# Altium PCB Power Supply Board V2I1.PcbDoc (continued)
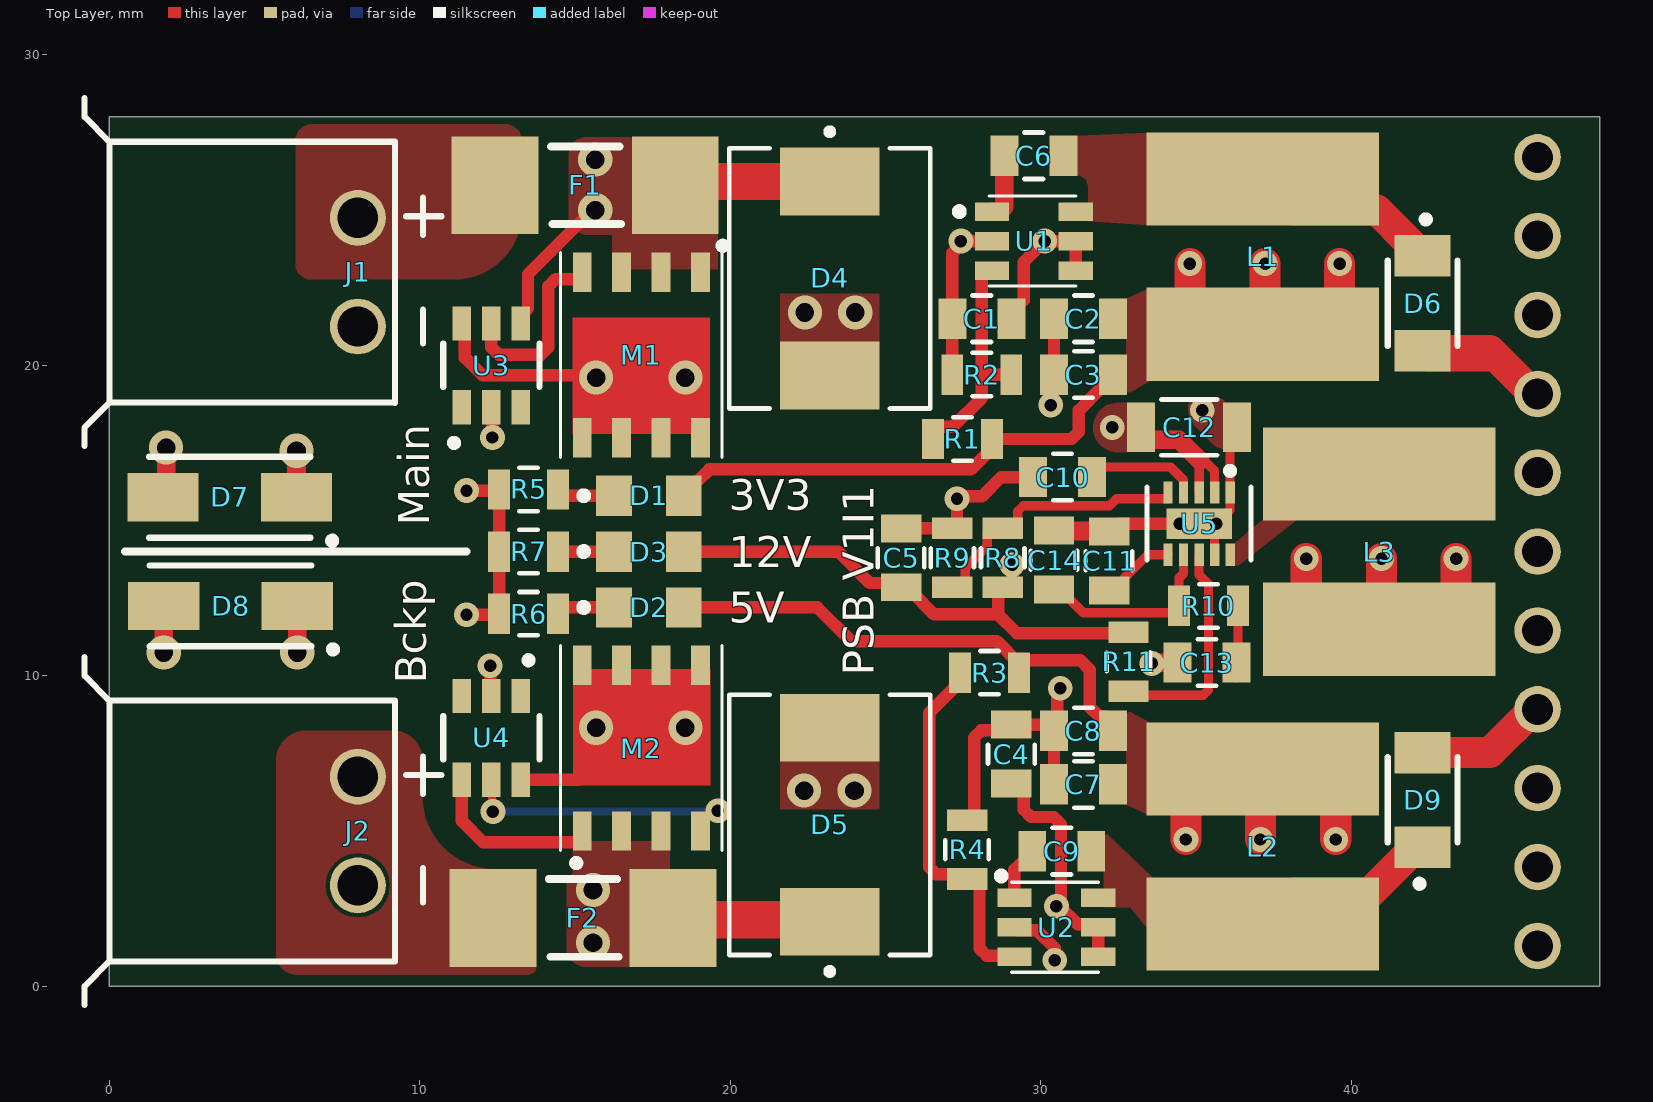
[diagram p0: Top Layer view]
## Part data (continued)
R7: library part ERJ-6ENF7501V, "Res Thick Film 7.5k 125mW, ±1%;", Case Code (Imperial)=0805, Case Code (Metric)=2012, Manufacturer=Panasonic, Max Operating Temperature=155°C, Max Power Dissipation=125mW, Min Operating Temperature=-55°C, Package Quantity=1, Resistance=7.5kR, Supplier Part Number 1=P7.50KCCT-ND, Temperature Coefficient=100ppm/°C, TOLERANCE=1%, Voltage Rating=150V, Case/Package=0805, Category="Chip SMD Resistors", ComponentLink1Description=https://datasheet.ciiva.com/11821/0900766b80f80784-11821713.pdf?src-supplier=RSComponents, ComponentLink1URL=https://datasheet.ciiva.com/11821/0900766b80f80784-11821713.pdf?src-supplier=RSComponents, ComponentLink2Description=https://datasheet.ciiva.com/34303/1989527-34303643.pdf?src-supplier=Jameco, ComponentLink2URL=https://datasheet.ciiva.com/34303/1989527-34303643.pdf?src-supplier=Jameco, ComponentLink3Description=https://datasheet.ciiva.com/16780/70260748-16780490.pdf?src-supplier=Allied+Electronics, ComponentLink3URL=https://datasheet.ciiva.com/16780/70260748-16780490.pdf?src-supplier=Allied+Electronics, ComponentLink4Description=https://datasheet.ciiva.com/17212/aoa0000ce2-17212477.pdf?src-supplier=Avnet+Europe, ComponentLink4URL=https://datasheet.ciiva.com/17212/aoa0000ce2-17212477.pdf?src-supplier=Avnet+Europe, ComponentLink5Description=https://datasheet.ciiva.com/30143/aoa0000ce2-30143461.pdf?src-supplier=Onlinecomponents.com, ComponentLink5URL=https://datasheet.ciiva.com/30143/aoa0000ce2-30143461.pdf?src-supplier=Onlinecomponents.com, ComponentLink6Description=https://datasheet.ciiva.com/16782/70260748-16782856.pdf?src-supplier=Allied+Electronics, ComponentLink6URL=https://datasheet.ciiva.com/16782/70260748-16782856.pdf?src-supplier=Allied+Electronics, ComponentLink7Description=https://datasheet.ciiva.com/9194/aoa0000ce2-9194794.pdf?src-supplier=Avnet, ComponentLink7URL=https://datasheet.ciiva.com/9194/aoa0000ce2-9194794.pdf?src-supplier=Avnet, ComponentLink8Description=https://datasheet.ciiva.com/46373/426256-46373996.pdf?src-supplier=Element14, ComponentLink8URL=https://datasheet.ciiva.com/46373/426256-46373996.pdf?src-supplier=Element14, ComponentLink9Description=https://datasheet.ciiva.com/28675/1678782-28675837.pdf?src-supplier=Element14, ComponentLink9URL=https://datasheet.ciiva.com/28675/1678782-28675837.pdf?src-supplier=Element14, ComponentLink10Description=https://datasheet.ciiva.com/5868/426256-5868191.pdf?src-supplier=Farnell, ComponentLink10URL=https://datasheet.ciiva.com/5868/426256-5868191.pdf?src-supplier=Farnell, Composition="Thick Film", Contact Plating=Tin, Depth=1.25mm, Features="Automotive AEC-Q200", Height=0.6mm, Lead Free="Lead Free", Length=2mm, Manufacturer Part Number=ERJ-6ENF7501V, Military Standard=Not, Mount="Surface Mount", Number of Terminations=2, Packaging="Tape and Reel", Power Rating=125mW, Pricing 1="1=0,10000, 10=0,07200, 100=0,02750, 1000=0,01210, 2500=0,01045 (USD)", Radiation Hardening=No, REACH SVHC=Unknown, RoHS=Yes, Stock 1=1517, Supplier 1=Digi-Key, Termination=SMD/SMT, Voltage Rating (DC)=150V, Width=0.049inch
R8: library part ERJ-6ENF1743V, "Res Thick Film 174K 1% 1/8W 0805", Case Code (Imperial)=0805, Case Code (Metric)=2012, Manufacturer=Panasonic, Max Operating Temperature=155°C, Max Power Dissipation=125mW, Min Operating Temperature=-55°C, Package Quantity=1, Resistance=174kR, Supplier Part Number 1=P174KCCT-ND, Temperature Coefficient=100ppm/°C, TOLERANCE=1%, Voltage Rating=150V, Case/Package=0805, Category="Chip SMD Resistors", ComponentLink1Description=https://datasheet.ciiva.com/11821/0900766b80f80784-11821552.pdf?src-supplier=RSComponents, ComponentLink1URL=https://datasheet.ciiva.com/11821/0900766b80f80784-11821552.pdf?src-supplier=RSComponents, ComponentLink2Description=https://datasheet.ciiva.com/22729/1678782-22729189.pdf?src-supplier=Farnell, ComponentLink2URL=https://datasheet.ciiva.com/22729/1678782-22729189.pdf?src-supplier=Farnell, ComponentLink3Description=https://datasheet.ciiva.com/9185/aoa0000ce2-9185134.pdf?src-supplier=Avnet, ComponentLink3URL=https://datasheet.ciiva.com/9185/aoa0000ce2-9185134.pdf?src-supplier=Avnet, ComponentLink4Description=https://datasheet.ciiva.com/22739/1678782-22739676.pdf?src-supplier=Element14, ComponentLink4URL=https://datasheet.ciiva.com/22739/1678782-22739676.pdf?src-supplier=Element14, ComponentLink5Description=https://datasheet.ciiva.com/46437/1678782-46437837.pdf?src-supplier=Element14, ComponentLink5URL=https://datasheet.ciiva.com/46437/1678782-46437837.pdf?src-supplier=Element14, Composition="Thick Film", Contact Plating=Tin, Depth=1.25mm, Features="Automotive AEC-Q200", Height=0.6mm, Lead Free="Lead Free", Length=2mm, Manufacturer Part Number=ERJ-6ENF1743V, Military Standard=Not, Mount="Surface Mount", Number of Terminations=2, Packaging="Tape and Reel", Power Rating=125mW, Pricing 1="1=0,10000, 10=0,07200, 100=0,02750, 1000=0,01210, 2500=0,01045 (USD)", REACH SVHC="No SVHC", RoHS=Yes, Stock 1=40641, Supplier 1=Digi-Key, Termination=SMD/SMT, Voltage Rating (DC)=150V, Width=1.2mm
R9: library part ERJ-6ENF1402V, "Res Thick Film 14K 1% 1/8W 0805", Case Code (Imperial)=0805, Case Code (Metric)=2012, Manufacturer=Panasonic, Max Operating Temperature=155°C, Max Power Dissipation=125mW, Min Operating Temperature=-55°C, Package Quantity=1, Resistance=14kR, Supplier Part Number 1=P14.0KCCT-ND, Temperature Coefficient=100ppm/°C, TOLERANCE=1%, Voltage Rating=150V, Case/Package=0805, Category="Chip SMD Resistors", ComponentLink1Description=https://datasheet.ciiva.com/16780/70260748-16780374.pdf?src-supplier=Allied+Electronics, ComponentLink1URL=https://datasheet.ciiva.com/16780/70260748-16780374.pdf?src-supplier=Allied+Electronics, ComponentLink2Description=https://datasheet.ciiva.com/24027/aoa0000ce2-24027368.pdf?src-supplier=Mouser, ComponentLink2URL=https://datasheet.ciiva.com/24027/aoa0000ce2-24027368.pdf?src-supplier=Mouser, ComponentLink3Description=https://datasheet.ciiva.com/46373/1678782-46373848.pdf?src-supplier=Element14, ComponentLink3URL=https://datasheet.ciiva.com/46373/1678782-46373848.pdf?src-supplier=Element14, ComponentLink4Description=https://datasheet.ciiva.com/17211/aoa0000ce2-17211609.pdf?src-supplier=Avnet+Europe, ComponentLink4URL=https://datasheet.ciiva.com/17211/aoa0000ce2-17211609.pdf?src-supplier=Avnet+Europe, ComponentLink5Description=https://datasheet.ciiva.com/16787/70260748-16787401.pdf?src-supplier=Allied+Electronics, ComponentLink5URL=https://datasheet.ciiva.com/16787/70260748-16787401.pdf?src-supplier=Allied+Electronics, ComponentLink6Description=https://datasheet.ciiva.com/46373/1678782-46373849.pdf?src-supplier=Element14, ComponentLink6URL=https://datasheet.ciiva.com/46373/1678782-46373849.pdf?src-supplier=Element14, ComponentLink7Description=https://datasheet.ciiva.com/22682/1678782-22682490.pdf?src-supplier=Element14, ComponentLink7URL=https://datasheet.ciiva.com/22682/1678782-22682490.pdf?src-supplier=Element14, ComponentLink8Description=https://datasheet.ciiva.com/30191/aoa0000ce2-30191374.pdf?src-supplier=Onlinecomponents.com, ComponentLink8URL=https://datasheet.ciiva.com/30191/aoa0000ce2-30191374.pdf?src-supplier=Onlinecomponents.com, Composition="Thick Film", Contact Plating=Tin, Depth=1.25mm, Features="Automotive AEC-Q200", Height=0.6mm, Lead Free="Lead Free", Length=2mm, Manufacturer Part Number=ERJ-6ENF1402V, Military Standard=Not, Mount="Surface Mount", Number of Terminations=2, Packaging="Tape and Reel", Power Rating=125mW, Pricing 1="1=0,10000, 10=0,07200, 100=0,02750, 1000=0,01210, 2500=0,01045 (USD)", Radiation Hardening=No, REACH SVHC="No SVHC", RoHS=Yes, Stock 1=87692, Supplier 1=Digi-Key, Termination=Solder, Voltage Rating (DC)=150V, Width=0.049inch
R10: library part ERJ-6ENF2002V, "Res Thick Film 0805 20K OHM 1% 1/8W 0805", Case Code (Imperial)=0805, Case Code (Metric)=2012, Manufacturer=Panasonic, Max Operating Temperature=155°C, Max Power Dissipation=125mW, Min Operating Temperature=-55°C, Package Quantity=1, Resistance=20kR, Supplier Part Number 1=P20.0KCCT-ND, Temperature Coefficient=100ppm/°C, TOLERANCE=1%, Voltage Rating=150V, Case/Package=0805, Category="Chip SMD Resistors", ComponentLink1Description=https://datasheet.ciiva.com/11821/0900766b80f80784-11821565.pdf?src-supplier=RSComponents, ComponentLink1URL=https://datasheet.ciiva.com/11821/0900766b80f80784-11821565.pdf?src-supplier=RSComponents, ComponentLink2Description=https://datasheet.ciiva.com/48531/aoa0000ce2-48531785.pdf?src-supplier=Avnet, ComponentLink2URL=https://datasheet.ciiva.com/48531/aoa0000ce2-48531785.pdf?src-supplier=Avnet, ComponentLink3Description=https://datasheet.ciiva.com/15159/getdatasheetpartid-249649-15159066.pdf?src-supplier=Verical, ComponentLink3URL=https://datasheet.ciiva.com/15159/getdatasheetpartid-249649-15159066.pdf?src-supplier=Verical, ComponentLink4Description=https://datasheet.ciiva.com/17211/aoa0000ce2-17211115.pdf?src-supplier=Avnet+Europe, ComponentLink4URL=https://datasheet.ciiva.com/17211/aoa0000ce2-17211115.pdf?src-supplier=Avnet+Europe, ComponentLink5Description=https://datasheet.ciiva.com/46389/426256-46389083.pdf?src-supplier=Element14, ComponentLink5URL=https://datasheet.ciiva.com/46389/426256-46389083.pdf?src-supplier=Element14, ComponentLink6Description=https://datasheet.ciiva.com/28688/1678782-28688637.pdf?src-supplier=Element14, ComponentLink6URL=https://datasheet.ciiva.com/28688/1678782-28688637.pdf?src-supplier=Element14, ComponentLink7Description=https://datasheet.ciiva.com/16512/aoa0000ce2-16512158.pdf?src-supplier=Avnet+Asia, ComponentLink7URL=https://datasheet.ciiva.com/16512/aoa0000ce2-16512158.pdf?src-supplier=Avnet+Asia, ComponentLink8Description=https://datasheet.ciiva.com/22749/1678782-22749662.pdf?src-supplier=Element14, ComponentLink8URL=https://datasheet.ciiva.com/22749/1678782-22749662.pdf?src-supplier=Element14, ComponentLink9Description=https://datasheet.ciiva.com/30072/aoa0000ce2-30072453.pdf?src-supplier=Onlinecomponents.com, ComponentLink9URL=https://datasheet.ciiva.com/30072/aoa0000ce2-30072453.pdf?src-supplier=Onlinecomponents.com, ComponentLink10Description=https://datasheet.ciiva.com/43460/426256-43460054.pdf?src-supplier=Farnell, ComponentLink10URL=https://datasheet.ciiva.com/43460/426256-43460054.pdf?src-supplier=Farnell, ComponentLink11Description=https://datasheet.ciiva.com/16786/70260748-16786968.pdf?src-supplier=Allied+Electronics, ComponentLink11URL=https://datasheet.ciiva.com/16786/70260748-16786968.pdf?src-supplier=Allied+Electronics, ComponentLink12Description=https://datasheet.ciiva.com/9192/aoa0000ce2-9192153.pdf?src-supplier=Avnet, ComponentLink12URL=https://datasheet.ciiva.com/9192/aoa0000ce2-9192153.pdf?src-supplier=Avnet, ComponentLink13Description=https://datasheet.ciiva.com/46377/426256-46377356.pdf?src-supplier=Element14, ComponentLink13URL=https://datasheet.ciiva.com/46377/426256-46377356.pdf?src-supplier=Element14, ComponentLink14Description=https://datasheet.ciiva.com/24025/aoa0000ce2-24025709.pdf?src-supplier=Mouser, ComponentLink14URL=https://datasheet.ciiva.com/24025/aoa0000ce2-24025709.pdf?src-supplier=Mouser, Composition="Thick Film", Contact Plating=Tin, Depth=1.25mm, Features="Automotive AEC-Q200", Height=0.6mm, Lead Free="Lead Free", Length=2mm, Manufacturer Part Number=ERJ-6ENF2002V, Military Standard=Not, Mount="Surface Mount", Number of Terminations=2, Packaging="Tape and Reel", Power Rating=125mW, Pricing 1="1=0,10000, 10=0,07200, 100=0,02750, 1000=0,01210, 2500=0,01045 (USD)", Radiation Hardening=No, REACH SVHC="No SVHC", RoHS=Yes, Stock 1=254204, Supplier 1=Digi-Key, Termination=SMD/SMT, Voltage Rating (DC)=150V, Width=0.049inch, Working Voltage=150V
R11: library part ERJ-6ENF1003V, "Res Thick Film 0805 100K Ohm 1% 0.125W(1/8W) ±100ppm/C Molded SMD Automotive Punched T/R", Case Code (Imperial)=0805, Case Code (Metric)=2012, Manufacturer=Panasonic, Max Operating Temperature=155°C, Max Power Dissipation=125mW, Min Operating Temperature=-55°C, Package Quantity=1, Resistance=100kR, Supplier Part Number 1=P100KCDKR-ND, Temperature Coefficient=100ppm/°C, TOLERANCE=1%, Voltage Rating=150V, Case/Package=0805, ComponentLink1Description=http://www.farnell.com/datasheets/426256.pdf, ComponentLink1URL=http://www.farnell.com/datasheets/426256.pdf, ComponentLink2Description=http://www.farnell.com/datasheets/1678782.pdf, ComponentLink2URL=http://www.farnell.com/datasheets/1678782.pdf, ComponentLink3Description=http://www.jameco.com/Jameco/Products/ProdDS/1988989.pdf, ComponentLink3URL=http://www.jameco.com/Jameco/Products/ProdDS/1988989.pdf, ComponentLink4Description=http://industrial.panasonic.com/www-data/pdf/AOA0000/AOA0000CE2.pdf, ComponentLink4URL=http://industrial.panasonic.com/www-data/pdf/AOA0000/AOA0000CE2.pdf, ComponentLink5Description=http://www.mouser.com/ds/2/315/AOA0000C283-1093288.pdf, ComponentLink5URL=http://www.mouser.com/ds/2/315/AOA0000C283-1093288.pdf, ComponentLink6Description=https://www.alliedelec.com/m/d/623f45ff1957d936ff56d46fd1c28cac.pdf, ComponentLink6URL=https://www.alliedelec.com/m/d/623f45ff1957d936ff56d46fd1c28cac.pdf, Composition="Thick Film", Contact Plating=Tin, Depth=1.25mm, Features="Automotive AEC-Q200", Height=0.6mm, Lead Free="Lead Free", Length=2mm, Manufacturer Part Number=ERJ-6ENF1003V, Military Standard=Not, Mount="Surface Mount", Number of Pins=2, Number of Terminations=2, Packaging="Tape and Reel", Power Rating=125mW, Pricing 1="1=0.1, 10=0.081, 100=0.0311, 1000=0.01367, 2500=0.01181 (USD)", Radiation Hardening=No, REACH SVHC="No SVHC", Stock 1=2355717, Supplier 1=Digi-Key, Termination=SMD/SMT, Voltage Rating (DC)=150V, Width=0.049inch
U1 U2: library part LMR14010ADDCR, "DC/DC Buck converter", Case/Package=SOT-23-6, Current Rating=2.45A, DC Resistance (DCR)=100mR, Inductance=18uH, Inductance Tolerance=20%, Manufacturer="Texas Instruments", Max Input Voltage=40V, Max Operating Temperature=125°C, Min Input Voltage=4V, Min Operating Temperature=-40°C, Min Output Voltage=765mV, Output Current=1A, Ratings=AEC-Q200, Saturation Current=2A, Self Resonant Frequency=17.6MHz, Supplier Part Number 1=296-49761-1-ND, Switching Frequency=850kHz, Test Frequency=1MHz, Category="Fixed Inductors", ComponentLink1Description=http://www.ti.com/lit/ds/symlink/lmr14010a.pdf?src-supplier=Digi-Key, ComponentLink1URL=http://www.ti.com/lit/ds/symlink/lmr14010a.pdf?src-supplier=Digi-Key, ComponentLink2Description=http://www.ti.com/general/docs/suppproductinfo.tsp?distId=10&amp;gotoUrl=http%3A%2F%2Fwww.ti.com%2Flit%2Fgpn%2Flmr14010a&src-supplier=Digi-Key, ComponentLink2URL=http://www.ti.com/general/docs/suppproductinfo.tsp?distId=10&amp;gotoUrl=http%3A%2F%2Fwww.ti.com%2Flit%2Fgpn%2Flmr14010a&src-supplier=Digi-Key, ComponentLink3Description=https://datasheet.ciiva.com/46449/1865596-46449257.pdf?src-supplier=Element14, ComponentLink3URL=https://datasheet.ciiva.com/46449/1865596-46449257.pdf?src-supplier=Element14, ComponentLink4Description=https://datasheet.ciiva.com/48954/70480897-48954489.pdf?src-supplier=Allied+Electronics, ComponentLink4URL=https://datasheet.ciiva.com/48954/70480897-48954489.pdf?src-supplier=Allied+Electronics, Composition=Wirewound, Core Material=Ferrite, Features=UVLO, Height - Seated (Max)=0.217inch, Length=0.307inch, Manufacturer Part Number=LMR14010ADDCR, Max Output Voltage=40V, Mount="Surface Mount", Number of Outputs=1, Output Configuration=Positive, Output Type=Adjustable, Packaging="Cut Tape", Pricing 1="1=2,34000, 10=2,09900, 25=1,98000, 100=1,58400, 250=1,38600, 500=1,34640, 1000=1,06920 (USD)", Pricing 2="1=0,74000, 10=0,64400, 100=0,46000, 500=0,38640 (USD)", REACH SVHC="No SVHC", RMS Current (Irms)=2.45A, RoHS=No, Shielding=Unshielded, Stock 1=3166, Stock 2=1808, Supplier 1=Digi-Key, Synchronous Rectifier=No, Termination=SMD/SMT, TOLERANCE=20%, Width=0.276inch
U3 U4: library part LM5050MK-2/NOPB, "IC OR CTRLR N+1 6SOT", Case/Package=SOT-23-6, Manufacturer="TI National Semiconductor", Max Operating Temperature=125°C, Max Output Voltage=12V, Max Supply Voltage=75V, Min Operating Temperature=-40°C, Min Supply Voltage=6V, Operating Supply Current=355uA, Quiescent Current=400uA, Supplier Part Number 1=LM5050MK-2/NOPBCT-ND, Category=Uncategorized, ComponentLink1Description=https://datasheet.ciiva.com/28632/1787943-28632260.pdf?src-supplier=Element14, ComponentLink1URL=https://datasheet.ciiva.com/28632/1787943-28632260.pdf?src-supplier=Element14, ComponentLink2Description=https://datasheet.ciiva.com/6609/lm5050-2-6609558.pdf?src-supplier=Digi-Key, ComponentLink2URL=https://datasheet.ciiva.com/6609/lm5050-2-6609558.pdf?src-supplier=Digi-Key, ComponentLink3Description=https://datasheet.ciiva.com/12085/lm5050-2-52065-12085161.pdf?src-supplier=Mouser, ComponentLink3URL=https://datasheet.ciiva.com/12085/lm5050-2-52065-12085161.pdf?src-supplier=Mouser, ComponentLink4Description=https://datasheet.ciiva.com/15110/getdatasheetpartid-494613-15110415.pdf?src-supplier=Verical, ComponentLink4URL=https://datasheet.ciiva.com/15110/getdatasheetpartid-494613-15110415.pdf?src-supplier=Verical, ComponentLink5Description=https://datasheet.ciiva.com/6609/lm5050-2-6609559.pdf?src-supplier=Digi-Key, ComponentLink5URL=https://datasheet.ciiva.com/6609/lm5050-2-6609559.pdf?src-supplier=Digi-Key, ComponentLink6Description=https://datasheet.ciiva.com/6609/lm5050-2-6609561.pdf?src-supplier=Digi-Key, ComponentLink6URL=https://datasheet.ciiva.com/6609/lm5050-2-6609561.pdf?src-supplier=Digi-Key, Contact Plating=Tin, Height=1mm, Lead Free="Lead Free", Length=3.05mm, Manufacturer Part Number=LM5050MK-2/NOPB, Mount="Surface Mount", Number of Outputs=1, Number of Pins=6, Packaging="Tape and Reel", Pricing 1="1=2,21000, 10=1,98200, 25=1,87000, 100=1,49600, 250=1,30900, 500=1,27160 (USD)", Radiation Hardening=No, REACH SVHC="No SVHC", RoHS=Yes, Stock 1=29342, Supplier 1=Digi-Key, Weight=0.00127oz, Width=1.75mm
U5: library part MAX17502GATB+T, "DC/DC BUCK SYNC ADJ 1A 10TDFN", Manufacturer=Maxim, Max Input Voltage=60V, Max Operating Temperature=125°C, Max Output Current=1A, Min Input Voltage=4.5V, Min Operating Temperature=-40°C, Nominal Supply Current=4.75mA, Output Voltage=12V, Package Quantity=2500, Supplier Part Number 1=MAX17502GATB+TCT-ND, Switching Frequency=600kHz, Category="Power Supply Modules", ComponentLink1Description=https://datasheet.ciiva.com/14083/max17502-14083789.pdf?src-supplier=Digi-Key, ComponentLink1URL=https://datasheet.ciiva.com/14083/max17502-14083789.pdf?src-supplier=Digi-Key, Efficiency=90%, Manufacturer Part Number=MAX17502GATB+T, Min Supply Voltage=4.5V, Number of Outputs=1, Number of Pins=10, Operating Supply Voltage=60V, Output Current=1A, Output Type=Adjustable, Packaging="Tape and Reel", Pricing 1="1=3,37000, 10=3,02700, 25=2,86200, 100=2,35320, 250=2,11152, 500=2,06700 (USD)", RoHS=Yes, Stock 1=970, Supplier 1=Digi-Key, Synchronous Rectifier=Yes

## Via types
v1: diameter 0.8, hole 0.4, Top Layer to Bottom Layer, tented both sides, 28 vias
v2: diameter 1.1, hole 0.6, Top Layer to Bottom Layer, tented both sides, 16 vias

## Nets (pads, with @x,y where several pads share a name; then routed paths per layer and width w, separated by ;. In a path a pad name is that pad's centre, name@x,y a point inside that pad or via, vN(x,y) a via of type N, cw(c..) or ccw(c..) an arc to the next point about the centre after c; other vN are vias at no path point)
+3V3: C2.2 C3.2 D1.2 J3.1 L1.2 R1.2 | length 26
  Top Layer w0.4: D1.2 18.5,15.875 18.875,16.25 18.925,16.25 19.325,16.65 27.75,16.65 28.425,17.325 R1.2 30.991,17.625 31.225,17.859 31.225,18.55 31.925,19.25 32.075,19.25 32.325,19.5 C3.2
  Top Layer w1: v1(34.8,23.275) 34.8,22 35.8,21 L1.2 37.525,21.375 39,21.375 39.625,22 v1(39.625,23.275) ; L1.2@37.225,21.675 v1(37.225,23.275)
+5V: C7.2 C8.2 D2.2 J3.11 L2.2 R3.2 | length 20.8
  Top Layer w0.4: D2.2 22.8,12.2 23.884,11.116 28.584,11.116 29.3,10.4 R3.2@29.3,10.35 ; R3.2 R3.2@29.3,10.35 ; C8.2@32.325,8.25 32.325,8.45 32.075,8.7 31.875,8.7 31.575,9 31.575,10.2 31.275,10.5 29.45,10.5 R3.2@29.3,10.35
  Top Layer w1: v1(34.675,4.725) L2.2@34.675,6 ; v1(37.075,4.725) L2.2@37.075,6.325 ; v1(39.5,4.725) L2.2@39.5,6
+12V: C1.2 C4.2 C5.2 D3.2 J3.3 L3.2 R8.2 R11.2 U1.4 U1.5 U2.4 U2.5 | length 34.1
  Top Layer w0.4: D3.2 23.475,14 24.488,12.987 25.363,12.987 C5.2 25.7,12.85 26.175,12.375 26.175,12.365 26.565,11.975 28.625,11.975 ; R8.2@28.625,12.7 28.625,11.975 ; R8.2 28.925,12.85 29.075,13 v1(29.075,13.575) ; C4.2 29.2,6.525 29.45,6.275 29.45,5.684 29.684,5.45 30.416,5.45 30.65,5.216 v1@30.65,2.74 ; C1.2 29.05,21.7 29.45,22.1 29.45,23.325 v1(30.125,24) U1.5 U1.4 ; v1(30.5,2.575) 30.608,2.575 31.183,2 31.75,2 U2.5 U2.4 ; R11.2@32.825,11.375 29.225,11.375 28.625,11.975 ; L3.2@40.6,11.2 L3.2
  Top Layer w1: L3.2@38.55,12.5 v1(38.55,13.775) ; L3.2@40.975,12.175 v1(40.975,13.775) ; L3.2@43.375,12.5 v1(43.375,13.775)
+48_BACKUP: D5.1 D8.1 F2.2 M2.1 M2.2 M2.3 U4.4 | length 12.5
  Top Layer w0.4: U4.4 11.35,5.325 12.042,4.633 15.125,4.633 15.23,4.738 M2.1
  Top Layer w0.6: v2(6.05,10.75) D8.1
  Top Layer w1.2: F2.2 18.212,2.138 23.238,2.138 D5.1@23.3,2.076
  other v2: 15.575,1.4 15.575,3.1
+48_MAIN: D4.1 D7.1 F1.2 M1.1 M1.2 M1.3 U3.4 | length 11.1
  Top Layer w0.4: U3.4@13.25,21.6 13.481,21.831 13.481,22.933 14.996,24.448 15.548,25 v2(15.65,25)
  Top Layer w0.6: D7.1 v2(6.025,17.25)
  Top Layer w1: F1.2 F1.2@18.349,25.924
  Top Layer w1.2: F1.2@18.349,25.924 D4.1@23.3,25.924
  other v2: 15.65,26.625
+48_PROT: C12.2 J3.5 J3.6 J3.7 M1.5 M1.6 M1.7 M1.8 M2.5 M2.6 M2.7 M2.8 U3.6 U4.6 U5.2 U5.3 | length 15.9
  Top Layer w0.254: 18.825,18.52 19.115,18.81
  Top Layer w0.3: U5.3 35.099,15.906 35.099,16.894 35.127,16.922 35.279,16.922 35.597,16.604 U5.2
  Top Layer w0.4: U3.6 11.45,21.25 11.45,20.25 12.025,19.675 v2@15.65,19.675 ; U4.6 15.115,6.65 15.675,7.21 v2(15.675,8.325) ; 17.183,18.992 17.775,19.585 ; 18.46,18.155 18.825,18.52 ; 18.763,18.582 18.99,18.81 19.115,18.81
  Top Layer w0.6: C12.2@33.425,17.6 34.449,17.6 35.127,16.922
  other v1: 32.3,18
  other v2: 18.55,8.325 15.675,19.602 18.55,19.602
FB: R8.1 R9.2 U5.5 | length 8.8
  Top Layer w0.3: R9.2 27.366,12.85 27.566,13.05 27.566,13.47 28.275,14.179 28.275,14.55 28.475,14.75 29.061,14.75 29.261,14.95 29.261,15.3 29.436,15.475 32.214,15.475 32.439,15.7 U5.5@34.097,15.7
GND: C1.1 C2.1 C3.1 C4.1 C5.1 C7.1 C8.1 C10.1 C11.1 C12.1 C13.1 C14.1 D4.2 D5.2 D6.2 D7.2 D8.2 D9.2 J1.2 J2.2 J3.2 J3.4 J3.8 J3.9 J3.10 R2.1 R4.1 R5.1 R6.1 R7.1 R9.1 U1.2 U2.2 U3.2 U4.2 U5.1 U5.9 U5.11 | length 58.3
  Top Layer w0.3: U5.11 U5.11@35.251,14.9 ; U5.11@35.453,14.698 U5.11@35.597,14.555 ; U5.9 U5.11@35.597,14.555 ; U5.1@36.094,15.901 36.094,15.339 v1(35.655,14.9) U5.11@35.251,14.9 ; U5.1 36.097,18.122 C12.1@36.225,18.25 ; C12.1@36.325,18.1 C12.1@36.325,18.275 ; U5.11@35.251,14.9 U5.11@35.597,14.555
  Top Layer w0.4: v1(11.5,11.963) R6.1@12.5,11.963 ; v1(11.5,15.963) R5.1@12.5,15.963 ; U4.2@12.263,9.4 v1(12.263,10.325) ; v1(12.337,17.675) U3.2@12.337,18.6 ; R7.1@12.5,13.95 R7.1 ; R6.1 R7.1 ; R5.1 R7.1 ; C5.1 R9.1 ; R2.1 C1.1 27.15,23.617 27.425,23.892 v1(27.425,24) U1.2 ; R9.1@27.3,14.95 v1(27.3,15.7) 27.377,15.777 28.102,15.777 28.725,16.4 C10.1 C10.1@29.5,16.15 ; R4.1 27.7,5.35 27.85,5.5 27.85,8.008 28.084,8.242 28.867,8.242 C4.1 30.25,8.425 C8.1@30.425,8.25 ; U2.2@29.25,1.8 29.875,1.8 30.45,1.225 v1(30.45,0.838) ; C3.1@30.225,19.5 C3.1@30.225,19.7 ; v1(30.318,18.718) 30.372,18.772 30.372,19.641 30.431,19.7 30.425,19.706 C2.1 ; C8.1@30.388,8.662 C8.1@30.425,8.625 ; C7.1 C8.1@30.425,8.25 ; v1@30.6,9.5 30.523,9.423 30.523,8.348 C8.1@30.425,8.25 ; C11.1@32.2,14.55 32.55,14.9 v1(34.475,14.9) U5.11 ; C13.1@34.4,10.225 C13.1
  Top Layer w0.6: D7.2 1.825,15.85 v2(1.825,17.35) ; v2(1.75,10.75) D8.2 ; C14.1 30.437,14.662 32.188,14.662 C11.1 ; v1@33.575,10.425 C13.1
  Top Layer w1: D9.2@42.47,7.695 D9.2 44.47,7.525 45.865,8.92 J3.8 ; J3.4 45.865,19.08 44.64,20.305 ; 44.64,20.305 42.47,20.305 D6.2 44.47,20.475 44.64,20.305
  other v1: 30.625,9.6 33.575,10.4 35.2,18.55
  other v2: 22.375,6.3 24,6.3 22.4,21.7 24.025,21.7
LX: L3.1 U5.10 | length 2.3
  Top Layer w0.3: L3.1@38.65,16.5 L3.1
NetC6_1: C6.1 D6.1 L1.1 U1.6 | length 6.3
  Top Layer w1: L1.1 38.15,25 40.825,25 41.9,23.925 41.9,23.695 42.07,23.525 D6.1
NetC6_2: C6.2 U1.1 | length 2.1
  Top Layer w0.6: U1.1 28.675,24.95 28.825,25.1 C6.2
NetC9_1: C9.1 D9.1 L2.1 U2.6 | length 6.2
  Top Layer w1: L2.1 38.15,3 40.595,3 41.9,4.305 42.13,4.305 D9.1
NetC9_2: C9.2 U2.1 | length 2
  Top Layer w0.4: U2.1 29.15,3.75 29.45,4.05 29.6,4.05 29.85,4.3 C9.2@29.85,4.5
NetC10_2: C10.2 U5.4 | length 3.7
  Top Layer w0.3: C10.2 31.65,16.425 31.95,16.725 34.175,16.725 34.594,16.306 34.594,15.906 U5.4
NetC11_2: C11.2 U5.6 | length 2.4
  Top Layer w0.3: C11.2@32.2,12.65 33.444,13.894 34.094,13.894 U5.6
NetC13_2: C13.2 R10.1 | length 2.1
  Top Layer w0.3: C13.2@36.3,9.925 36.35,9.975 R10.1@36.35,12.05
NetC14_2: C14.2 R10.2 U5.7 | length 6.3
  Top Layer w0.3: C14.2 30.625,12.775 31.375,12.025 34.359,12.025 R10.2@34.392,11.992 ; R10.2@34.45,12.05 R10.2 34.45,13.15 34.594,13.294 34.594,13.894 U5.7
  Top Layer w0.4: R10.2@34.392,11.992 R10.2@34.45,12.05
NetD1_1: D1.1 R5.2 | length 1.9
  Top Layer w0.4: R5.2 14.45,15.95 14.6,15.8 D1.1
NetD2_1: D2.1 R6.2 | length 1.9
  Top Layer w0.4: R6.2 14.45,12.05 14.6,12.2 D2.1
NetD3_1: D3.1 R7.2 | length 1.8
  Top Layer w0.4: R7.2 D3.1
NetF1_1: F1.1 J1.1
NetF2_1: F2.1 J2.1
NetM1_4: M1.4 U3.5 | length 5.7
  Top Layer w0.4: U3.5@12.3,20.975 12.3,20.58 12.534,20.346 13.901,20.346 14.135,20.58 14.135,22.541 14.369,22.775 15.125,22.775 15.23,22.88 M1.4
NetM2_4: M2.4 U4.5 | length 9.3
  Top Layer w0.254: U4.5 12.325,6.625 12.325,5.65 v1(12.35,5.625) ; M2.4 19.04,5.33 19.218,5.508 19.31,5.508 19.452,5.65 v1(19.6,5.65)
  Bottom Layer w0.254: v1(12.35,5.625) 19.575,5.625 v1(19.6,5.65)
NetR1_1: R1.1 R2.2 U1.3 | length 7.6
  Top Layer w0.4: R1.1 26.525,17.874 26.675,18.024 27.174,18.024 28.1,18.95 28.1,19.7 ; U1.3 28.2,23.05 28.1,22.95 28.1,19.7 ; R2.2 28.1,19.7
NetR3_1: R3.1 R4.2 U2.3 | length 11.5
  Top Layer w0.4: R3.1 27.4,9.8 26.4,8.8 26.4,3.834 26.634,3.6 R4.2@27.575,3.6 ; R4.2@28.025,3.55 28.025,1.215 28.259,0.981 29.119,0.981 U2.3
NetR11_1: R11.1 U5.8 | length 7.2
  Top Layer w0.3: R11.1@32.825,9.475 32.925,9.375 35.224,9.375 35.4,9.551 35.4,12.95 35.097,13.253 U5.8
pads on no net: U3.1 U3.3 U4.1 U4.3

## Polygon pours and split planes (outlines as drawn)
NetF2_1 on Top Layer "Top Layer-NetF2_1" (solid, pour order 10): 10.075,7.3 10.075,6.1 ccw(c12.4,6.1) 12.4,3.775 13.75,3.775 13.75,0.625 cw(c13.5,0.625) 13.5,0.375 6.025,0.375 cw(c6.025,1.025) 5.375,1.025 5.375,7.275 cw(c6.325,7.275) 6.325,8.225 9.15,8.225 cw(c9.15,7.3)
GND on Top Layer "GND_L01_P024" (solid, pour order 24): 21.6,20.7 21.6,22.3 24.8,22.3 24.8,20.7
GND on Top Layer "GND_L01_P006" (solid, pour order 6): 24.8,7.3 24.8,5.7 21.6,5.7 21.6,7.3
+48_PROT on Top Layer "+48_PROT_L01_P022" (solid, pour order 22): 32.5,18.801 32.8,18.801 32.8,17.2 32.473,17.2 cw(c32.473,17.986) 31.687,17.986 cw(c32.501,17.986)
+5V on Top Layer "+5V_L01_P016" (solid, pour order 16): 32.75,8.9 33.5,8.5 33.5,5.5 32.75,5.85
GND on Top Layer "GND_L01_P023" (solid, pour order 23): 35.075,18.975 35.623,18.975 cw(c35.623,18.548) 35.925,18.85 35.925,17.3 cw(c35.925,17.843) 35.541,17.459 35.033,17.967 cw(c35.716,18.65) 34.75,18.65 cw(c35.075,18.65)
LX on Top Layer "LX_L01_P021" (solid, pour order 21): 37.15,15.025 36.225,14.25 36.225,13.555 36.375,13.555 38.217,15 38.217,15.025
+48_BACKUP on Top Layer "+48_BACKUP_L01_P018" (solid, pour order 18): 14.925,4.675 18.05,4.675 18.05,3.575 18.018,3.607 14.925,3.607
+48_MAIN on Top Layer "+48_MAIN_L01_P003" (solid, pour order 3): 16.875,27.35 15.375,27.35 ccw(c15.375,26.775) 14.8,26.775 14.8,24.825 ccw(c15.425,24.825) 15.425,24.2 16.875,24.2
NetC9_1 on Top Layer "NETC9_1_L01_P017" (solid, pour order 17): 32.875,2.55 33.425,1.875 33.6,1.875 33.6,3.5 32.025,5 32.025,2.55
+3V3 on Top Layer "+3V3_L01_P015" (solid, pour order 15): 32.75,22.15 33.525,22.5 33.525,19.5 32.75,19.05
NetC6_1 on Top Layer "NETC6_1_L01_P014" (solid, pour order 14): 31.15,26.125 31.15,27.4 33.525,27.5 33.525,24.5 31.775,24.625 31.525,24.643 31.525,25.75 ccw(c31.15,25.75)
+48_BACKUP on Top Layer "+48_BACKUP_L01_P002" (solid, pour order 2): 16.8,3.775 15.3,3.775 ccw(c15.3,3.2) 14.725,3.2 14.725,1.25 ccw(c15.35,1.25) 15.35,0.625 16.8,0.625
+48_MAIN on Top Layer "+48_MAIN_L01_P013" (solid, pour order 13): 16.2,23.1 16.2,24.3 19.6,24.3 19.6,23.1
NetF1_1 on Top Layer "Top Layer-NetF1_1" (solid, pour order 12): 13.275,27.225 13.275,24.925 cw(c11.125,24.925) 11.125,22.775 6.475,22.775 cw(c6.475,23.25) 6,23.25 6,27.25 cw(c6.516,27.25) 6.516,27.766 12.734,27.766 cw(c12.734,27.225)
+48_PROT on Bottom Layer "+48_PROT_L04_P019" (solid, pour order 19): 12.375,27.5 47.3,27.5 47.3,0.5 12.375,0.5
GND on IN_T (split plane): 47.49,27.49 47.49,0.51 0.51,0.51 0.51,13.699 35,13.699 35.059,13.704 35.115,13.721 35.167,13.749 35.213,13.787 35.251,13.833 35.279,13.885 35.296,13.941 35.301,14 35.296,14.059 35.279,14.115 35.251,14.167 35.213,14.213 35.167,14.251 35.115,14.279 35.059,14.296 35,14.301 0.51,14.301 0.51,27.49
+48_BACKUP on IN_B (split plane): 19.699,0.51 0.51,0.51 0.51,13.699 19.699,13.699
+48_MAIN on IN_B (split plane): 19.699,27.49 19.699,14.301 0.51,14.301 0.51,27.49
+5V on IN_B (split plane): 47.49,0.51 31.976,0.51 31.976,8.649 47.49,8.649
+3V3 on IN_B (split plane): 47.49,27.49 47.49,24.526 42.35,24.526 42.291,24.521 42.235,24.504 42.183,24.476 42.137,24.438 42.099,24.392 42.071,24.34 42.054,24.284 42.049,24.225 42.049,19.376 31.951,19.376 31.951,27.49
+12V on IN_B (split plane): 31.349,27.49 31.349,19.075 31.354,19.016 31.371,18.96 31.399,18.908 31.437,18.862 31.483,18.824 31.535,18.796 31.591,18.779 31.65,18.774 42.35,18.774 42.409,18.779 42.465,18.796 42.517,18.824 42.563,18.862 42.601,18.908 42.629,18.96 42.646,19.016 42.651,19.075 42.651,23.924 47.49,23.924 47.49,9.251 31.675,9.251 31.616,9.246 31.56,9.229 31.508,9.201 31.462,9.163 31.424,9.117 31.396,9.065 31.379,9.009 31.374,8.95 31.374,0.51 20.301,0.51 20.301,27.49

## Other copper
IN_T (plane layer: these items are gaps in the copper):
  lines w0.254: 9.267,14 35.025,13.85
  lines w0.6: 0,14 35,14
IN_B (plane layer: these items are gaps in the copper):
  lines w0.6: -0.25,14 20,14 ; 14.825,0.2 14.925,0.1 15.75,0.1 ; 19.025,0.025 31.675,0.025 31.675,8.95 47.9,8.95 ; 19.025,27.975 31.65,27.975 31.65,19.075 42.35,19.075 42.35,24.225 48.25,24.225 ; 20,-0.1 20,27.7

## Silkscreen, mask and mechanical layers (free items; w line width, h text height)
Top Overlay:
  lines w0.254: 0.5,14 11.5,14
  text "3V3" at 19.95,15.325 h1
  text "Main" at 10.3,14.825 h1 r90
  text "12V" at 19.95,13.5 h1
  text "5V" at 19.95,11.7 h1
  text "PSB V1I1" at 24.625,10 h1 r90
  text "Bckp" at 10.2,9.75 h1 r90
Bottom Overlay:
  lines w0.254: 41.685,2.698 44.225,2.698 ; 41.685,10.318 44.225,10.318 ; 41.685,17.938 44.225,17.938 ; 41.685,20.478 44.225,20.478 ; 41.685,23.018 44.225,23.018 ; 41.685,25.558 44.225,25.558
  text "3V3" at 44.125,26.475 h1
  text "GND" at 44.2,23.8 h1
  text "12V" at 44.225,21.425 h1
  text "GND" at 44.2,18.72 h1
  text "48V" at 44.1,14 h1
  text "GND" at 44.2,6.02 h1
  text "5V" at 43.9,0.9 h1
OUTLINE:
  lines w0.254: 0,0 40,0 40,28 0,28 0,0

## Dimensions
0,28 to 48,28 on DIMENSIONS
0,0 to 0,28 on DIMENSIONS